# KiCad board 2000ATX.kicad_pcb (continued)
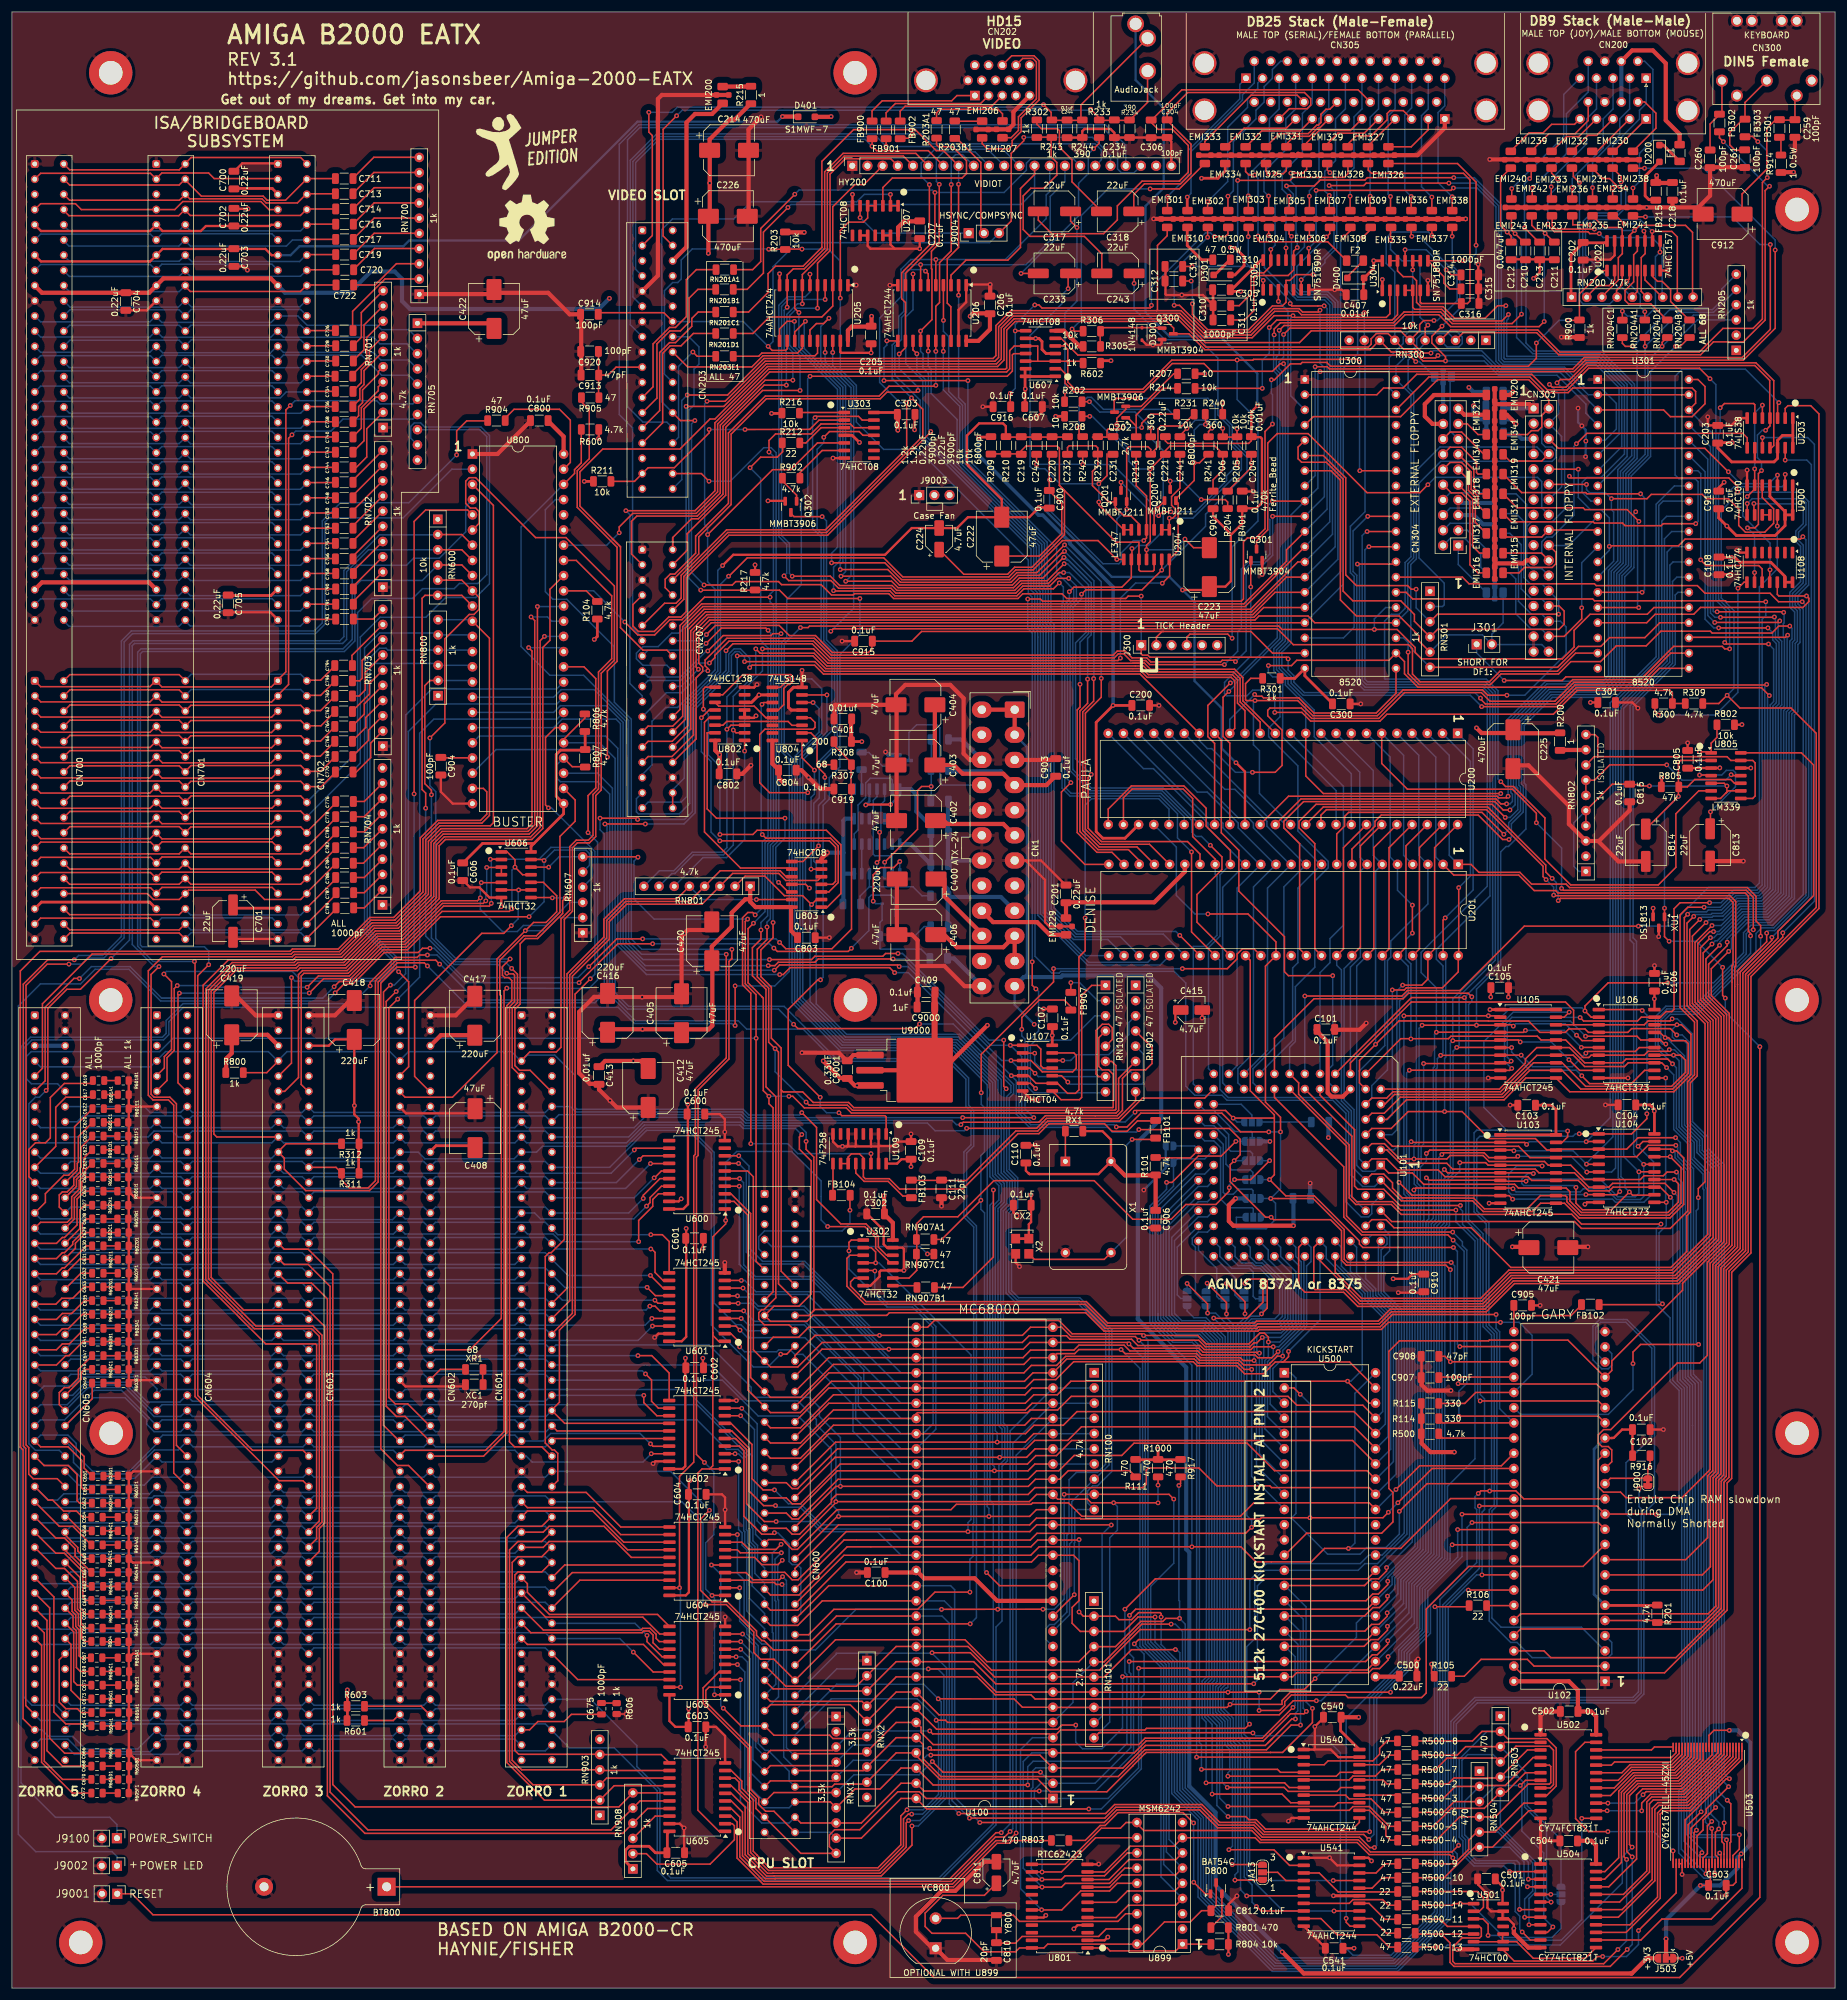
[diagram p0: board, top side]
## Footprints (pads in the part's own frame, mm; a bottom-side part is the same pattern mirrored in y, then rotated) (continued)
Jack_3.5mm_CUI_SJ1-3533NG_Horizontal_CircularHoles
  round 2.8 hole 2: R(2,-7.9) S(0,0) T(2,-2.4)
Molex_Mini-Fit_Jr_5566-24A_2x12_P4.20mm_Vertical
  rrect 2.7x3.3 hole 1.4: 1(0,0)
  oval 2.7x3.3 hole 1.4: 2(4.2,0) 3(8.4,0) 4(12.6,0) 5(16.8,0) 6(21,0) 7(25.2,0) 8(29.4,0) 9(33.6,0) 10(37.8,0) 11(42,0) 12(46.2,0) 13(0,-5.5) 14(4.2,-5.5) 15(8.4,-5.5) 16(12.6,-5.5) 17(16.8,-5.5) 18(21,-5.5) 19(25.2,-5.5) 20(29.4,-5.5) 21(33.6,-5.5) 22(37.8,-5.5) 23(42,-5.5) 24(46.2,-5.5)
MountingHole_Pad
  round 7.25 hole 3.962: 1(0,0)
Oscillator_DIP-14
  rect 1.6x1.6 hole 0.8: 1(0,0)
  round 1.6 hole 0.8: 7(15.24,0) 8(15.24,7.62) 14(0,7.62)
Oscillator_SMD_SeikoEpson_SG8002LB-4Pin_5.0x3.2mm
  rect 1.6x1.5 smd: 1(-1.27,-1.1) 2(1.27,-1.1) 3(1.27,1.1) 4(-1.27,1.1)
PinHeader_1x02_P2.54mm_Vertical
  rect 1.7x1.7 hole 1: 1(0,0)
  oval 1.7x1.7 hole 1: 2(0,-2.54)
PinHeader_1x03_P2.54mm_Vertical
  rect 1.7x1.7 hole 1: 1(0,0)
  oval 1.7x1.7 hole 1: 2(0,-2.54) 3(0,-5.08)
PinHeader_1x06_P2.54mm_Vertical
  rect 1.7x1.7 hole 1: 1(0,0)
  oval 1.7x1.7 hole 1: 2(0,-2.54) 3(0,-5.08) 4(0,-7.62) 5(0,-10.16) 6(0,-12.7)
PinHeader_2x10_P2.54mm_Vertical
  rect 1.7x1.7 hole 1: 1(0,0)
  oval 1.7x1.7 hole 1: 2(2.54,0) 3(0,-2.54) 4(2.54,-2.54) 5(0,-5.08) 6(2.54,-5.08) 7(0,-7.62) 8(2.54,-7.62) 9(0,-10.16) 10(2.54,-10.16) 11(0,-12.7) 12(2.54,-12.7) 13(0,-15.24) 14(2.54,-15.24) 15(0,-17.78) 16(2.54,-17.78) 17(0,-20.32) 18(2.54,-20.32) 19(0,-22.86) 20(2.54,-22.86)
PinHeader_2x17_P2.54mm_Vertical
  rect 1.7x1.7 hole 1: 1(0,0)
  oval 1.7x1.7 hole 1: 2(2.54,0) 3(0,-2.54) 4(2.54,-2.54) 5(0,-5.08) 6(2.54,-5.08) 7(0,-7.62) 8(2.54,-7.62) 9(0,-10.16) 10(2.54,-10.16) 11(0,-12.7) 12(2.54,-12.7) 13(0,-15.24) 14(2.54,-15.24) 15(0,-17.78) 16(2.54,-17.78) 17(0,-20.32) 18(2.54,-20.32) 19(0,-22.86) 20(2.54,-22.86) 21(0,-25.4) 22(2.54,-25.4) 23(0,-27.94) 24(2.54,-27.94) 25(0,-30.48) 26(2.54,-30.48) 27(0,-33.02) 28(2.54,-33.02) 29(0,-35.56) 30(2.54,-35.56) 31(0,-38.1) 32(2.54,-38.1) 33(0,-40.64) 34(2.54,-40.64)
PinSocket_1x22_P2.54mm_Vertical
  rect 1.7x1.7 hole 1: 1(0,0)
  oval 1.7x1.7 hole 1: 2(0,-2.54) 3(0,-5.08) 4(0,-7.62) 5(0,-10.16) 6(0,-12.7) 7(0,-15.24) 8(0,-17.78) 9(0,-20.32) 10(0,-22.86) 11(0,-25.4) 12(0,-27.94) 13(0,-30.48) 14(0,-33.02) 15(0,-35.56) 16(0,-38.1) 17(0,-40.64) 18(0,-43.18) 19(0,-45.72) 20(0,-48.26) 21(0,-50.8) 22(0,-53.34)
PLCC-84_THT-Socket
  rect 1.422x1.422 hole 0.8: 1(0,0)
  round 1.422 hole 0.8: 2(0,-2.54) 3(-2.54,0) 4(-2.54,-2.54) 5(-5.08,0) 6(-5.08,-2.54) 7(-7.62,0) 8(-7.62,-2.54) 9(-10.16,0) 10(-10.16,-2.54) 11(-12.7,0) 12(-15.24,-2.54) 13(-12.7,-2.54) 14(-15.24,-5.08) 15(-12.7,-5.08) 16(-15.24,-7.62) 17(-12.7,-7.62) 18(-15.24,-10.16) 19(-12.7,-10.16) 20(-15.24,-12.7) 21(-12.7,-12.7) 22(-15.24,-15.24) 23(-12.7,-15.24) 24(-15.24,-17.78) 25(-12.7,-17.78) 26(-15.24,-20.32) 27(-12.7,-20.32) 28(-15.24,-22.86) 29(-12.7,-22.86) 30(-15.24,-25.4) 31(-12.7,-25.4) 32(-15.24,-27.94) 33(-12.7,-30.48) 34(-12.7,-27.94) 35(-10.16,-30.48) 36(-10.16,-27.94) 37(-7.62,-30.48) 38(-7.62,-27.94) 39(-5.08,-30.48) 40(-5.08,-27.94) 41(-2.54,-30.48) 42(-2.54,-27.94) 43(0,-30.48) 44(0,-27.94) 45(2.54,-30.48) 46(2.54,-27.94) 47(5.08,-30.48) 48(5.08,-27.94) 49(7.62,-30.48) 50(7.62,-27.94) 51(10.16,-30.48) 52(10.16,-27.94) 53(12.7,-30.48) 54(15.24,-27.94) 55(12.7,-27.94) 56(15.24,-25.4) 57(12.7,-25.4) 58(15.24,-22.86) 59(12.7,-22.86) 60(15.24,-20.32) 61(12.7,-20.32) 62(15.24,-17.78) 63(12.7,-17.78) 64(15.24,-15.24) 65(12.7,-15.24) 66(15.24,-12.7) 67(12.7,-12.7) 68(15.24,-10.16) 69(12.7,-10.16) 70(15.24,-7.62) 71(12.7,-7.62) 72(15.24,-5.08) 73(12.7,-5.08) 74(15.24,-2.54) 75(12.7,0) 76(12.7,-2.54) 77(10.16,0) 78(10.16,-2.54) 79(7.62,0) 80(7.62,-2.54) 81(5.08,0) 82(5.08,-2.54) 83(2.54,0) 84(2.54,-2.54)
R_0805_2012Metric
  rrect 1.025x1.4 smd: 1(-0.912,0) 2(0.912,0)
R_1206_3216Metric
  rrect 1.125x1.75 smd: 1(-1.462,0) 2(1.462,0)
R_Array_SIP6
  rect 1.6x1.6 hole 0.8: 1(0,0)
  oval 1.6x1.6 hole 0.8: 2(2.54,0) 3(5.08,0) 4(7.62,0) 5(10.16,0) 6(12.7,0)
R_Array_SIP8
  rect 1.6x1.6 hole 0.8: 1(0,0)
  oval 1.6x1.6 hole 0.8: 2(2.54,0) 3(5.08,0) 4(7.62,0) 5(10.16,0) 6(12.7,0) 7(15.24,0) 8(17.78,0)
R_Array_SIP9
  rect 1.6x1.6 hole 0.8: 1(0,0)
  oval 1.6x1.6 hole 0.8: 2(2.54,0) 3(5.08,0) 4(7.62,0) 5(10.16,0) 6(12.7,0) 7(15.24,0) 8(17.78,0) 9(20.32,0)
R_Array_SIP10
  rect 1.6x1.6 hole 0.8: 1(0,0)
  oval 1.6x1.6 hole 0.8: 2(2.54,0) 3(5.08,0) 4(7.62,0) 5(10.16,0) 6(12.7,0) 7(15.24,0) 8(17.78,0) 9(20.32,0) 10(22.86,0)
Samtec_HLE-150-02-xx-DV-TE_2x43_P2.54mm_Horizontal
  rrect 1.31x1.31 hole 0.8: 1(0,-2.54)
  round 1.31 hole 0.8: 2(0,2.54) 3(2.54,-2.54) 4(2.54,2.54) 5(5.08,-2.54) 6(5.08,2.54) 7(7.62,-2.54) 8(7.62,2.54) 9(10.16,-2.54) 10(10.16,2.54) 11(12.7,-2.54) 12(12.7,2.54) 13(15.24,-2.54) 14(15.24,2.54) 15(17.78,-2.54) 16(17.78,2.54) 17(20.32,-2.54) 18(20.32,2.54) 19(22.86,-2.54) 20(22.86,2.54) 21(25.4,-2.54) 22(25.4,2.54) 23(27.94,-2.54) 24(27.94,2.54) 25(30.48,-2.54) 26(30.48,2.54) 27(33.02,-2.54) 28(33.02,2.54) 29(35.56,-2.54) 30(35.56,2.54) 31(38.1,-2.54) 32(38.1,2.54) 33(40.64,-2.54) 34(40.64,2.54) 35(43.18,-2.54) 36(43.18,2.54) 37(45.72,-2.54) 38(45.72,2.54) 39(48.26,-2.54) 40(48.26,2.54) 41(50.8,-2.54) 42(50.8,2.54) 43(53.34,-2.54) 44(53.34,2.54) 45(55.88,-2.54) 46(55.88,2.54) 47(58.42,-2.54) 48(58.42,2.54) 49(60.96,-2.54) 50(60.96,2.54) 51(63.5,-2.54) 52(63.5,2.54) 53(66.04,-2.54) 54(66.04,2.54) 55(68.58,-2.54) 56(68.58,2.54) 57(71.12,-2.54) 58(71.12,2.54) 59(73.66,-2.54) 60(73.66,2.54) 61(76.2,-2.54) 62(76.2,2.54) 63(78.74,-2.54) 64(78.74,2.54) 65(81.28,-2.54) 66(81.28,2.54) 67(83.82,-2.54) 68(83.82,2.54) 69(86.36,-2.54) 70(86.36,2.54) 71(88.9,-2.54) 72(88.9,2.54) 73(91.44,-2.54) 74(91.44,2.54) 75(93.98,-2.54) 76(93.98,2.54) 77(96.52,-2.54) 78(96.52,2.54) 79(99.06,-2.54) 80(99.06,2.54) 81(101.6,-2.54) 82(101.6,2.54) 83(104.14,-2.54) 84(104.14,2.54) 85(106.68,-2.54) 86(106.68,2.54)
Samtec_HLE-150-02-xx-DV-TE_2x50_P2.54mm_Horizontal
  rrect 1.31x1.31 hole 0.8: 1(0,-2.54)
  round 1.31 hole 0.8: 2(0,2.54) 3(2.54,-2.54) 4(2.54,2.54) 5(5.08,-2.54) 6(5.08,2.54) 7(7.62,-2.54) 8(7.62,2.54) 9(10.16,-2.54) 10(10.16,2.54) 11(12.7,-2.54) 12(12.7,2.54) 13(15.24,-2.54) 14(15.24,2.54) 15(17.78,-2.54) 16(17.78,2.54) 17(20.32,-2.54) 18(20.32,2.54) 19(22.86,-2.54) 20(22.86,2.54) 21(25.4,-2.54) 22(25.4,2.54) 23(27.94,-2.54) 24(27.94,2.54) 25(30.48,-2.54) 26(30.48,2.54) 27(33.02,-2.54) 28(33.02,2.54) 29(35.56,-2.54) 30(35.56,2.54) 31(38.1,-2.54) 32(38.1,2.54) 33(40.64,-2.54) 34(40.64,2.54) 35(43.18,-2.54) 36(43.18,2.54) 37(45.72,-2.54) 38(45.72,2.54) 39(48.26,-2.54) 40(48.26,2.54) 41(50.8,-2.54) 42(50.8,2.54) 43(53.34,-2.54) 44(53.34,2.54) 45(55.88,-2.54) 46(55.88,2.54) 47(58.42,-2.54) 48(58.42,2.54) 49(60.96,-2.54) 50(60.96,2.54) 51(63.5,-2.54) 52(63.5,2.54) 53(66.04,-2.54) 54(66.04,2.54) 55(68.58,-2.54) 56(68.58,2.54) 57(71.12,-2.54) 58(71.12,2.54) 59(73.66,-2.54) 60(73.66,2.54) 61(76.2,-2.54) 62(76.2,2.54) 63(78.74,-2.54) 64(78.74,2.54) 65(81.28,-2.54) 66(81.28,2.54) 67(83.82,-2.54) 68(83.82,2.54) 69(86.36,-2.54) 70(86.36,2.54) 71(88.9,-2.54) 72(88.9,2.54) 73(91.44,-2.54) 74(91.44,2.54) 75(93.98,-2.54) 76(93.98,2.54) 77(96.52,-2.54) 78(96.52,2.54) 79(99.06,-2.54) 80(99.06,2.54) 81(101.6,-2.54) 82(101.6,2.54) 83(104.14,-2.54) 84(104.14,2.54) 85(106.68,-2.54) 86(106.68,2.54) 87(109.22,-2.54) 88(109.22,2.54) 89(111.76,-2.54) 90(111.76,2.54) 91(114.3,-2.54) 92(114.3,2.54) 93(116.84,-2.54) 94(116.84,2.54) 95(119.38,-2.54) 96(119.38,2.54) 97(121.92,-2.54) 98(121.92,2.54) 99(124.46,-2.54) 100(124.46,2.54)
SOIC-14_3.9x8.7mm_P1.27mm
  rrect 1.95x0.6 smd: 1(-2.475,3.81) 2(-2.475,2.54) 3(-2.475,1.27) 4(-2.475,0) 5(-2.475,-1.27) 6(-2.475,-2.54) 7(-2.475,-3.81) 8(2.475,-3.81) 9(2.475,-2.54) 10(2.475,-1.27) 11(2.475,0) 12(2.475,1.27) 13(2.475,2.54) 14(2.475,3.81)
SOIC-16_3.9x9.9mm_P1.27mm
  rrect 1.95x0.6 smd: 1(-2.475,4.445) 2(-2.475,3.175) 3(-2.475,1.905) 4(-2.475,0.635) 5(-2.475,-0.635) 6(-2.475,-1.905) 7(-2.475,-3.175) 8(-2.475,-4.445) 9(2.475,-4.445) 10(2.475,-3.175) 11(2.475,-1.905) 12(2.475,-0.635) 13(2.475,0.635) 14(2.475,1.905) 15(2.475,3.175) 16(2.475,4.445)
SOIC-20W_7.5x12.8mm_P1.27mm
  rrect 2.05x0.6 smd: 1(-4.65,5.715) 2(-4.65,4.445) 3(-4.65,3.175) 4(-4.65,1.905) 5(-4.65,0.635) 6(-4.65,-0.635) 7(-4.65,-1.905) 8(-4.65,-3.175) 9(-4.65,-4.445) 10(-4.65,-5.715) 11(4.65,-5.715) 12(4.65,-4.445) 13(4.65,-3.175) 14(4.65,-1.905) 15(4.65,-0.635) 16(4.65,0.635) 17(4.65,1.905) 18(4.65,3.175) 19(4.65,4.445) 20(4.65,5.715)
SOIC-24W_7.5x15.4mm_P1.27mm
  rrect 2.05x0.6 smd: 1(-4.65,6.985) 2(-4.65,5.715) 3(-4.65,4.445) 4(-4.65,3.175) 5(-4.65,1.905) 6(-4.65,0.635) 7(-4.65,-0.635) 8(-4.65,-1.905) 9(-4.65,-3.175) 10(-4.65,-4.445) 11(-4.65,-5.715) 12(-4.65,-6.985) 13(4.65,-6.985) 14(4.65,-5.715) 15(4.65,-4.445) 16(4.65,-3.175) 17(4.65,-1.905) 18(4.65,-0.635) 19(4.65,0.635) 20(4.65,1.905) 21(4.65,3.175) 22(4.65,4.445) 23(4.65,5.715) 24(4.65,6.985)
SolderJumper-2_P1.3mm_Bridged_RoundedPad1.0x1.5mm
  custom 1x1.5 smd: 1(-0.65,0) 2(0.65,0)
SolderJumper-2_P1.3mm_Open_RoundedPad1.0x1.5mm
  custom 1x1.5 smd: 1(-0.65,0) 2(0.65,0)
SolderJumper-3_P1.3mm_Bridged12_RoundedPad1.0x1.5mm
  custom 1.05x1.5 smd: 1(-1.3,0) 3(1.3,0)
  rect 1x1.5 smd: 2(0,0)
SolderJumper-3_P1.3mm_Open_RoundedPad1.0x1.5mm
  custom 1.05x1.5 smd: 1(-1.3,0) 3(1.3,0)
  rect 1x1.5 smd: 2(0,0)
SOT-23
  rrect 1.475x0.6 smd: 1(-0.938,0.95) 2(-0.938,-0.95) 3(0.938,0)
TO-263-3_TabPin2
  rrect 4.6x1.1 smd: 1(-7.65,2.54) 2(-7.65,0) 3(-7.65,-2.54)
  rrect 9.4x10.8 smd: 2(1.5,0)
TrimmerCap
  rect 2x2 hole 1.2: 1(-2.5,0)
  round 2 hole 1.2: 2(2.5,0)
TSOP-I-48_18.4x12mm_P0.5mm
  rrect 1.575x0.3 smd: 1(-9.688,5.75) 2(-9.688,5.25) 3(-9.688,4.75) 4(-9.688,4.25) 5(-9.688,3.75) 6(-9.688,3.25) 7(-9.688,2.75) 8(-9.688,2.25) 9(-9.688,1.75) 10(-9.688,1.25) 11(-9.688,0.75) 12(-9.688,0.25) 13(-9.688,-0.25) 14(-9.688,-0.75) 15(-9.688,-1.25) 16(-9.688,-1.75) 17(-9.688,-2.25) 18(-9.688,-2.75) 19(-9.688,-3.25) 20(-9.688,-3.75) 21(-9.688,-4.25) 22(-9.688,-4.75) 23(-9.688,-5.25) 24(-9.688,-5.75) 25(9.688,-5.75) 26(9.688,-5.25) 27(9.688,-4.75) 28(9.688,-4.25) 29(9.688,-3.75) 30(9.688,-3.25) 31(9.688,-2.75) 32(9.688,-2.25) 33(9.688,-1.75) 34(9.688,-1.25) 35(9.688,-0.75) 36(9.688,-0.25) 37(9.688,0.25) 38(9.688,0.75) 39(9.688,1.25) 40(9.688,1.75) 41(9.688,2.25) 42(9.688,2.75) 43(9.688,3.25) 44(9.688,3.75) 45(9.688,4.25) 46(9.688,4.75) 47(9.688,5.25) 48(9.688,5.75)

## Nets
+3V3: CN1.1 CN1.2 CN1.12 CN1.13 CX2.1 J503.3 X2.1 X2.4
+5V: C100.1 C101.1 C102.1 C103.1 C104.1 C105.1 C106.1 C107.1 C108.2 C109.2 C110.1 C202.2 C203.2 C218.1 C300.2 C301.1 C302.2 C303.1 C305.1 C323.2 C400.1 C401.1 C402.1 C403.1 C404.1 C405.1 C415.1 C416.1 C417.1 C418.1 C419.1 C420.1 C421.1 C422.1 C500.1 C501.1 C502.1 C504.1 C540.2 C541.2 C600.1 C601.1 C602.1 C603.1 C604.1 C605.2 C606.1 C607.2 C700.1 C701.1 C705.1 C800.1 C802.1 C803.1 C804.1 C805.1 C903.1 C906.1 C910.1 C918.1 CN1.4 CN1.6 CN1.21 CN1.22 CN1.23 CN203.6 CN203.8 CN600.5 CN600.6 CN601.5 CN601.6 CN602.5 CN602.6 CN603.5 CN603.6 CN604.5 CN604.6 CN605.5 CN605.6 CN700.B3 CN700.B29 CN700.D16 CN701.B3 CN701.B29 CN701.D16 CN702.B3 CN702.B29 CN702.D16 D301.2 EMI200.1 EMI229.1 F4.2 FB215.1 J300.6 J503.1 Q302.2 R101.1 R104.1 R109.1 R111.1 R114.2 R115.2 R200.1 R201.1 R203.2 R211.1 R216.1 R217.2 R301.1 R308.1 R311.1 R312.1 R500.1 R600.2 R601.1 R602.1 R603.1 R800.1 R801.1 R802.2 R804.1 R805.1 R806.2 R807.2 R914.1 R916.2 R917.1 R1000.1 R9102.1 RN100.1 RN101.1 RN200.1 RN300.1 RN301.1 RN503.1 RN504.1 RN600.1 RN705.1 RN800.1 RN801.1 RN802.2 RN802.9 RN903.1 RN908.1 RX1.2 U100.14 U100.49 U101.15 U102.6 U102.17 U102.48 U103.1 U103.20 U104.20 U105.1 U105.20 U106.20 U107.14 U108.13 U108.14 U109.16 U202.16 U203.1 U203.9 U203.12 U203.14 U300.20 U301.20 U302.14 U303.4 U303.14 U305.14 U500.22 U500.32 U501.14 U502.24 U504.24 U540.20 U541.20 U600.20 U601.20 U602.20 U603.20 U604.20 U605.20 U606.14 U607.1 U607.4 U607.9 U607.13 U607.14 U800.25 U800.48 U801.4 U801.20 U802.6 U802.16 U803.14 U804.10 U804.16 U805.3 U899.3 U899.15 U900.1 U900.4 U900.13 U900.14 X1.14 XU1.2
+12V: C322.2 C406.1 C407.1 C704.1 CN1.10 CN1.11 CN203.10 CN600.10 CN601.10 CN602.10 CN603.10 CN604.10 CN605.10 CN700.B9 CN701.B9 CN702.B9 D400.2 F3.2 J9003.2 R207.1 U304.14
-5V: C412.2 C413.1 C702.1 C9001.1 CN203.31 CN600.8 CN601.8 CN602.8 CN603.8 CN604.8 CN605.8 CN700.B5 CN701.B5 CN702.B5 U9000.3
-12V: C408.2 C409.1 C703.1 C9000.1 CN1.14 CN601.20 CN602.20 CN603.20 CN604.20 CN605.20 CN700.B7 CN701.B7 CN702.B7 D401.1 R208.2 U304.1 U9000.2
/Paula/+5VMOUSE: CN200.7 CN200.16 F1.2
/Power/+5VSB: C9101.1 C9102.1 CN1.9 R9100.1 R9103.1 U9101.14 U9102.10 U9102.14
GND: BT800.2 C100.2 C101.2 C102.2 C103.2 C104.2 C105.2 C106.2 C107.2 C108.1 C109.1 C110.2 C111.2 C112.1 C200.2 C201.2 C202.1 C203.1 C205.1 C206.1 C207.2 C214.2 C218.2 C225.2 C226.2 C234.2 C244.2 C259.2 C260.2 C261.2 C300.1 C301.2 C302.1 C303.2 C304.2 C305.2 C306.2 C310.2 C311.2 C312.2 C313.2 C314.1 C315.1 C316.1 C322.1 C323.1 C400.2 C401.2 C402.2 C403.2 C404.2 C405.2 C406.2 C407.2 C408.1 C409.2 C412.1 C413.2 C415.2 C416.2 C417.2 C418.2 C419.2 C420.2 C421.2 C422.2 C500.2 C501.2 C502.2 C503.2 C504.2 C540.1 C541.1 C600.2 C601.2 C602.2 C603.2 C604.2 C605.1 C606.2 C607.1 C700.2 C701.2 C702.2 C703.2 C704.2 C705.2 C800.2 C802.2 C803.2 C804.2 C805.2 C810.2 C811.2 C812.2 C813.2 C814.2 C815.2 C903.2 C904.2 C905.2 C906.2 C907.2 C908.2 C910.2 C912.2 C913.2 C914.1 C915.2 C916.2 C918.2 C919.2 C920.2 C9000.2 C9001.2 C9101.2 C9102.2 C9103.2 C9104.2 C9105.2 CN1.3 CN1.5 CN1.7 CN1.15 CN1.17 CN1.18 CN1.19 CN1.24 CN200.0 CN200.8 CN200.17 CN202.0 CN202.5 CN202.6 CN202.7 CN202.8 CN202.10 CN203.9 CN203.12 CN203.13 CN203.17 CN203.20 CN203.21 CN203.24 CN203.32 CN207.1 CN207.5 CN207.9 CN207.12 CN207.22 CN207.32 CN300.0 CN300.4 CN303.1 CN303.5 CN303.7 CN303.9 CN303.11 CN303.13 CN303.15 CN303.17 CN303.19 CN303.21 CN303.23 CN303.25 CN303.27 CN303.29 CN303.31 CN303.33 CN304.5 CN304.7 CN304.20 CN305.0 CN305.17 CN305.18 CN305.19 CN305.20 CN305.21 CN305.22 CN305.23 CN305.24 CN305.25 CN305.26 CN305.32 CN600.1 CN600.2 CN600.3 CN600.4 CN600.12 CN600.13 CN600.25 CN600.37 CN600.49 CN600.61 CN600.73 CN600.85 CN601.1 CN601.2 CN601.3 CN601.4 CN601.13 CN601.25 CN601.37 CN601.49 CN601.61 CN601.73 CN601.85 CN601.87 CN601.88 CN601.89 CN601.90 CN601.91 CN601.99 CN601.100 CN602.1 CN602.2 CN602.3 CN602.4 CN602.13 CN602.25 CN602.37 CN602.49 CN602.61 CN602.73 CN602.85 CN602.87 CN602.88 CN602.89 CN602.90 CN602.91 CN602.99 CN602.100 CN603.1 CN603.2 CN603.3 CN603.4 CN603.13 CN603.25 CN603.37 CN603.49 CN603.61 CN603.73 CN603.85 CN603.87 CN603.88 CN603.89 CN603.90 CN603.91 CN603.99 CN603.100 CN604.1 CN604.2 CN604.3 CN604.4 CN604.13 CN604.25 CN604.37 CN604.49 CN604.61 CN604.73 CN604.85 CN604.87 CN604.88 CN604.89 CN604.90 CN604.91 CN604.99 CN604.100 CN605.1 CN605.2 CN605.3 CN605.4 CN605.13 CN605.25 CN605.37 CN605.49 CN605.61 CN605.73 CN605.85 CN605.87 CN605.88 CN605.89 CN605.90 CN605.91 CN605.99 CN605.100 CN700.B1 CN700.B10 CN700.B31 CN700.D18 CN701.B1 CN701.B10 CN701.B31 CN701.D18 CN702.B1 CN702.B10 CN702.B31 CN702.D18 CX2.2 D300.2 EMI200.3 EMI206.3 EMI207.3 EMI229.3 EMI230.3 EMI231.3 EMI232.3 EMI233.3 EMI234.3 EMI235.3 EMI236.3 EMI237.3 EMI238.3 EMI239.3 EMI240.3 EMI241.3 EMI242.3 EMI243.3 EMI300.3 EMI301.3 EMI302.3 EMI303.3 EMI304.3 EMI305.3 EMI306.3 EMI307.3 EMI308.3 EMI309.3 EMI310.3 EMI311.3 EMI312.3 EMI313.3 EMI314.3 EMI315.3 EMI316.3 EMI317.3 EMI318.3 EMI319.3 EMI320.3 EMI321.3 EMI322.3 EMI323.3 EMI324.3 EMI325.3 EMI326.3 EMI327.3 EMI328.3 EMI329.3 EMI330.3 EMI331.3 EMI332.3 EMI333.3 EMI334.3 EMI335.3 EMI336.3 EMI337.3 EMI338.3 EMI339.3 EMI340.3 EMI341.3 FB401.1 H1.1 H2.1 H3.1 H4.1 H5.1 H6.1 H7.1 H9.1 H10.1 H11.1 H12.1 HY200.1 HY200.22 J102.1 J300.3 J9001.2 J9002.2 J9003.1 J9100.2 JA2.3 JA7.2 Q300.2 Q301.2 Q9100.2 R234.1 R244.1 R305.2 R601A1.1 R601B1.1 R601C1.1 R601D1.1 R601E1.1 R601F1.1 R601G1.1 R601H1.1 R601I1.1 R602A1.1 R602B1.1 R602C1.1 R602D1.1 R602E1.1 R602F1.1 R602G1.1 R602H1.1 R602I1.1 R603A1.1 R603B1.1 R603C1.1 R603D1.1 R603E1.1 R603F1.1 R603G1.1 R603H1.1 R603I1.1 R604.1 R604A1.1 R604B1.1 R604C1.1 R604D1.1 R604E1.1 R604F1.1 R604G1.1 R604H1.1 R604I1.1 R605.1 R605A1.1 R605B1.1 R605C1.1 R605D1.1 R605E1.1 R605F1.1 R605G1.1 R605H1.1 R606.1 R900.1 R9105.2 RN205.1 RN607.1 RN700.1 RN701.1 RN702.1 RN703.1 RN704.1 RN802.3 RNX1.1 RNX2.1 U100.16 U100.53 U101.58 U101.82 U102.1 U102.24 U102.40 U103.10 U104.10 U105.10 U106.10 U107.7 U108.7 U109.2 U109.3 U109.5 U109.6 U109.8 U109.15 U200.8 U201.37 U202.8 U202.15 U203.7 U205.1 U205.10 U205.19 U206.1 U206.10 U206.19 U207.7 U207.9 U207.10 U207.12 U207.13 U300.1 U301.1 U302.7 U302.10 U302.13 U303.7 U304.7 U305.7 U500.11 U500.12 U500.31 U501.7 U501.12 U501.13 U502.1 U502.12 U503.27 U503.28 U503.46 U504.1 U504.12 U540.1 U540.10 U540.19 U541.1 U541.10 U541.15 U541.19 U600.10 U600.19 U601.10 U601.19 U602.10 U602.19 U603.10 U604.10 U605.10 U605.19 U606.7 U607.7 U800.1 U800.24 U800.43 U801.2 U801.12 U802.4 U802.5 U802.8 U803.7 U804.5 U804.8 U805.12 U899.2 U899.9 U900.7 U9000.1 U9101.7 U9102.7 VC800.1 X1.7 X2.2 XC1.2 XU1.3
V7M: CN600.7 RN907C1.1
7M: RN907A1.1 U100.15 U201.35
7MHz: JA3.3 JA4.1 RN907A1.2 RN907C1.2 U302.9
28M: CN600.9 FB104.2
+AUD: C200.1 C225.1 R200.2 R209.1 U200.27
+AV: C220.1 C222.1 C900.1 Q202.2 R207.2 R213.1 U204.4
+VID: C205.2 C206.2 C207.1 C214.1 C226.1 HY200.2 HY200.21 R215.1 U205.20 U206.20 U207.14
-AV: C221.2 C223.2 C901.2 R206.2 R208.1 U204.11
/Buster and RTC/CLKVCC: C811.1 C812.1 D800.3 U801.24 U899.18
/Buster and RTC/STDP: R804.2 U801.1 U899.1
/Floppy and Parallel/_CHNG: CN303.2 EMI341.1 RN301.2 U300.4
/Floppy and Parallel/_DKRST: EMI312.1 U607.6
/Floppy and Parallel/_DKWDB: CN303.22 EMI315.1 U203.8
/Floppy and Parallel/_DKWEB: CN303.24 EMI314.1 U203.11
/Floppy and Parallel/_INUSE0: CN303.6 U900.3
/Floppy and Parallel/_INUSE1: CN303.4 CN303.14 U108.9 U203.4
/Floppy and Parallel/_IORST: C916.1 EMI300.2 U607.8
/Floppy and Parallel/_KBDATA: C261.1 CN300.2 FB303.1
/Floppy and Parallel/_MTROD: CN303.16 Q301.3
/Floppy and Parallel/_MTRX: EMI311.1 U203.3
/Floppy and Parallel/_RDY: CN303.34 EMI322.1 J301.2 RN301.5 U300.7
/Floppy and Parallel/_TRK0: CN303.26 EMI339.1 RN301.3 U300.6
/Floppy and Parallel/_WPROT: CN303.28 EMI324.1 RN301.4 U300.5
/Memory and Kickstart/_MCASL: R500-11.1 U501.4 U503.15
/Memory and Kickstart/_MCASU: R500-12.1 U501.5 U503.14
/Memory and Kickstart/_MRAS0: R500-15.1 U501.2
/Memory and Kickstart/_MRAS1: JA14.3 R500-14.1 U501.1
/Memory and Kickstart/_MWE: R500-13.1 U503.11
/Memory and Kickstart/_SRAMCE: U501.8 U503.26
/Memory and Kickstart/CAS: U501.6 U501.9 U501.10 U504.13
/Memory and Kickstart/DRAB0: JA14.1 R500-1.1 RN503.3 U502.2
/Memory and Kickstart/DRAB1: R500-2.1 RN503.5 U502.3 U504.6
/Memory and Kickstart/DRAB2: R500-3.1 RN504.2 U502.4 U504.7
/Memory and Kickstart/DRAB3: R500-4.1 RN504.4 U502.5 U504.8
/Memory and Kickstart/DRAB4: R500-5.1 RN503.6 U502.6 U504.9
/Memory and Kickstart/DRAB5: R500-6.1 RN504.3 U502.7 U504.10
/Memory and Kickstart/DRAB6: R500-7.1 RN503.4 U502.8 U504.11
/Memory and Kickstart/DRAB7: R500-8.1 RN503.2 U502.9 U504.2
/Memory and Kickstart/DRAB8: R500-9.1 RN504.5 U502.10 U504.3
/Memory and Kickstart/DRAB9: R500-10.1 RN504.6 U502.11 U504.4
/Memory and Kickstart/DRABx: JA14.2 U504.5
/Memory and Kickstart/DRAC0: U502.23 U503.25
/Memory and Kickstart/DRAC1: U502.22 U503.24
/Memory and Kickstart/DRAC2: U502.21 U503.23
/Memory and Kickstart/DRAC3: U502.20 U503.22
/Memory and Kickstart/DRAC4: U502.19 U503.21
/Memory and Kickstart/DRAC5: U502.18 U503.20
/Memory and Kickstart/DRAC6: U502.17 U503.19
/Memory and Kickstart/DRAC7: U502.16 U503.18
/Memory and Kickstart/DRAC8: U502.15 U503.8
/Memory and Kickstart/DRAC9: U502.14 U503.7
/Memory and Kickstart/DRAD1: U503.5 U504.19
/Memory and Kickstart/DRAD2: U503.4 U504.18
/Memory and Kickstart/DRAD3: U503.3 U504.17
/Memory and Kickstart/DRAD4: U503.2 U504.16
/Memory and Kickstart/DRAD5: U503.1 U504.15
/Memory and Kickstart/DRAD6: U503.48 U504.14
/Memory and Kickstart/DRAD7: U503.17 U504.23
/Memory and Kickstart/DRAD8: U503.16 U504.22
/Memory and Kickstart/DRAD9: U503.9 U504.21
/Memory and Kickstart/DRADx: U503.6 U504.20
/Memory and Kickstart/RAS: U501.3 U502.13
/Paula/FIR0: CN200.6 EMI241.1
/Power/_PS-ON: CN1.16 Q9100.3
/Serial/CD: U301.7 U305.11
/Serial/CTS: U301.6 U305.6
/Serial/DSR: U301.5 U305.8
/Serial/DTR: U301.9 U304.12 U304.13
/Serial/RESET: C814.1 J9001.1 R805.2 U805.2 U805.10 XU1.1
/Serial/RTS: U301.8 U304.4 U304.5
/Video/_COMPSYNC: C914.2 CN203.14 HY200.18 J9004.3 U205.12
/Video/BLUE: CN203.15 FB902.2 HY200.17
/Video/BURST: CN203.18 U205.16
/Video/COMPVID: CN207.13 HY200.19
/Video/GREEN: CN203.11 FB901.2 HY200.12
/Video/PIXELSW: CN203.30 RN203E1.1
/Video/RED: CN203.7 FB900.2 HY200.7
/Video/SYNC: CN203.28 HY200.20
/Zorro_Expansion/_CFGIN2: CN604.12 U606.1 U606.11
/Zorro_Expansion/_CFGIN3: CN603.12 U606.3 U606.4
/Zorro_Expansion/_CFGIN4: CN602.12 U606.6 U606.9
/Zorro_Expansion/_CFGIN5: CN601.12 U606.8
/Zorro_Expansion/_CFGOUT1: CN605.11 RN607.5 U606.13
/Zorro_Expansion/_CFGOUT2: CN604.11 RN607.4 U606.2
/Zorro_Expansion/_CFGOUT3: CN603.11 RN607.3 U606.5
/Zorro_Expansion/_CFGOUT4: CN602.11 RN607.2 U606.10
_AS: CN600.74 RN101.5 U100.6 U101.24 U102.13 U605.9
_BAS: C663.2 CN601.74 CN602.74 CN603.74 CN604.74 CN605.74 RN903.5 U605.11 U800.36
_BEER: CN600.46 CN601.46 CN602.46 CN603.46 CN604.46 CN605.46 R111.2 U100.22 U800.26
_BG: U100.11 U800.17
_BGACK: CN600.62 CN601.62 CN602.62 CN603.62 CN604.62 CN605.62 J900.1 RN100.9 U303.13
_BHS: U205.18 U301.19
_BLDS: C660.2 CN601.70 CN602.70 CN603.70 CN604.70 CN605.70 RN903.3 U605.13 U800.37
_BLS: U101.19 U102.19
_BOSS: CN600.20 R104.2 U303.12 U800.39
_BR: RN100.10 U100.13 U800.27
_BRST: J300.4 R602.2 U108.10 U300.34 U301.34 U607.3 U607.5 U607.10 U607.12 U800.42
_BUDS: C662.2 CN601.72 CN602.72 CN603.72 CN604.72 CN605.72 RN903.4 U605.12 U800.38
_BUSRST: CN601.94 CN602.94 CN603.94 CN604.94 CN605.94 R603.2 U607.11
_C2: C904.1 U800.21
_C4: C913.1 C920.1 CN203.19 R905.1
_CASL: JA9.3 JA10.1 U541.6
_CASU: JA8.3 JA9.1 U541.8
_CBG: CN600.64 R806.1 U800.29
_CBR: CN600.60 R807.1 U800.28
_CDAC: JA1.1 JA4.3 U102.26 U107.1 U107.11 U201.34 U800.18
_CIPL0: RN801.6 U200.13 U802.1
_CIPL1: RN801.7 U200.14 U802.2
_CIPL2: RN801.8 U200.15 U802.3
_CLKRD: U102.22 U801.11 U899.8
_CLKWR: U102.23 U801.13 U899.10
_COPCFG: CN600.11 CN605.12 RN607.6 U606.12
_CSYNC: U101.80 U201.32 U205.8
_CUTOFF: R214.1 U304.3
_D2P: U603.1 U604.1 U800.45
_DBOE: R600.1 U603.19 U604.19 U800.46
_DBR: U101.20 U900.12
_DKRD: CN303.30 EMI323.1 R301.2 U200.37
_DKWD: U102.9 U200.38
_DTACK: CN600.66 CN601.66 CN602.66 CN603.66 CN604.66 CN605.66 R106.1 R917.2 RN101.4 U100.10
_EBG1: CN605.64 U800.2
_EBG2: CN604.64 U800.3
_EBG3: CN603.64 U800.4
_EBG4: CN602.64 U800.5
_EBG5: CN601.64 U800.6
_EBR1: CN605.60 RN600.2 U800.7
_EBR2: CN604.60 RN600.3 U800.8
_EBR3: CN603.60 RN600.4 U800.9
_EBR4: CN602.60 RN600.5 U800.10
_EBR5: CN601.60 RN600.6 U800.11
_EC1: CN601.16 CN602.16 CN603.16 CN604.16 CN605.16 RN902.4
_EC3: CN601.14 CN602.14 CN603.14 CN604.14 CN605.14 FB907.1
_EINT1: CN601.96 CN602.96 CN603.96 CN604.96 CN605.96 RN801.2 U803.2
_EINT4: CN601.44 CN602.44 CN603.44 CN604.44 CN605.44 RN801.3 U803.5
_EINT5: CN601.42 CN602.42 CN603.42 CN604.42 CN605.42 RN801.4 U803.10
_EINT7: CN601.40 CN602.40 CN603.40 CN604.40 CN605.40 RN801.5 U803.13
_EXRAM: R500.2 U102.32
_FIR0: EMI241.2 U300.8
_FIR1: CN207.19 EMI238.2 U101.78 U300.9
_GBG: C675.2 CN601.95 CN602.95 CN603.95 CN604.95 CN605.95 U800.23
_HLT: CN600.55 CN601.55 CN602.55 CN603.55 CN604.55 CN605.55 RN101.3 U100.17 U102.42
_HSYNC: CN203.22 R203.1 U101.81 U205.2 U207.4 U207.5
_INDEX: CN303.8 EMI340.1 RN301.6 U301.24
_INT2: CN600.19 CN601.19 CN602.19 CN603.19 CN604.19 CN605.19 R312.2 U200.16 U300.21
_INT3: U101.17 U200.17
_INT6: CN600.22 CN601.22 CN602.22 CN603.22 CN604.22 CN605.22 R311.2 U200.18 U301.21
_IPL0: CN600.40 RN100.5 U100.25 U804.9
_IPL1: CN600.42 RN100.6 U100.24 U804.7
_IPL2: CN600.44 RN100.7 U100.23 U804.6
_KBCLK: FB302.2 RN300.3 U300.40 U805.6
_KBRST: R201.2 U102.5 U805.14
_LATCH: FB102.1 U104.11 U106.11
_LDS: CN600.70 JA11.3 JA12.1 RN101.7 U100.8 U102.10 U605.7
_LED: CN207.31 U300.3 U303.5 U304.2
_MC1: R900.2 RN102.8 U202.1
_MTR: U102.7 U108.12 U301.17
_OEB: U102.4 U103.19 U105.19
_OEL: U102.3 U104.1 U106.1
_OVR: CN600.17 CN601.17 CN602.17 CN603.17 CN604.17 CN605.17 R115.1 U102.29 U800.40
_OWN: CN601.7 CN602.7 CN603.7 CN604.7 CN605.7 R800.2 U302.12 U800.41
_PACK: CN207.20 EMI335.1 RN300.5 U300.24
_RAMEN: U101.25 U102.20
_RAS0: U101.57 U541.17
_RAS1: U101.56 U541.13
_REGEN: U101.23 U102.18
_ROMEN: U102.21 U500.13 U900.9
_RST: CN600.53 CN601.53 CN602.53 CN603.53 CN604.53 CN605.53 RN101.2 U100.18 U101.16 U102.41 U200.11 U607.2
_RxD: U200.41 U305.3
_SEL0: CN303.10 U102.16 U301.13
_SEL1: CN303.12 U301.14 U900.5
_SEL2: EMI319.1 U301.15
_SEL3: EMI318.1 U301.16
_SIDE: CN303.32 EMI313.1 U301.12
_SLAVE1: CN605.9 RN800.6 U800.12
_SLAVE2: CN604.9 RN800.5 U800.13
_SLAVE3: CN603.9 RN800.4 U800.14
_SLAVE4: CN602.9 RN800.3 U800.15
_SLAVE5: CN601.9 RN800.2 U800.16
_STEP: CN303.20 EMI316.1 U301.10
_TxD: U200.40 U304.9 U304.10